# KiCad board artix-dc-scm.kicad_pcb (continued)
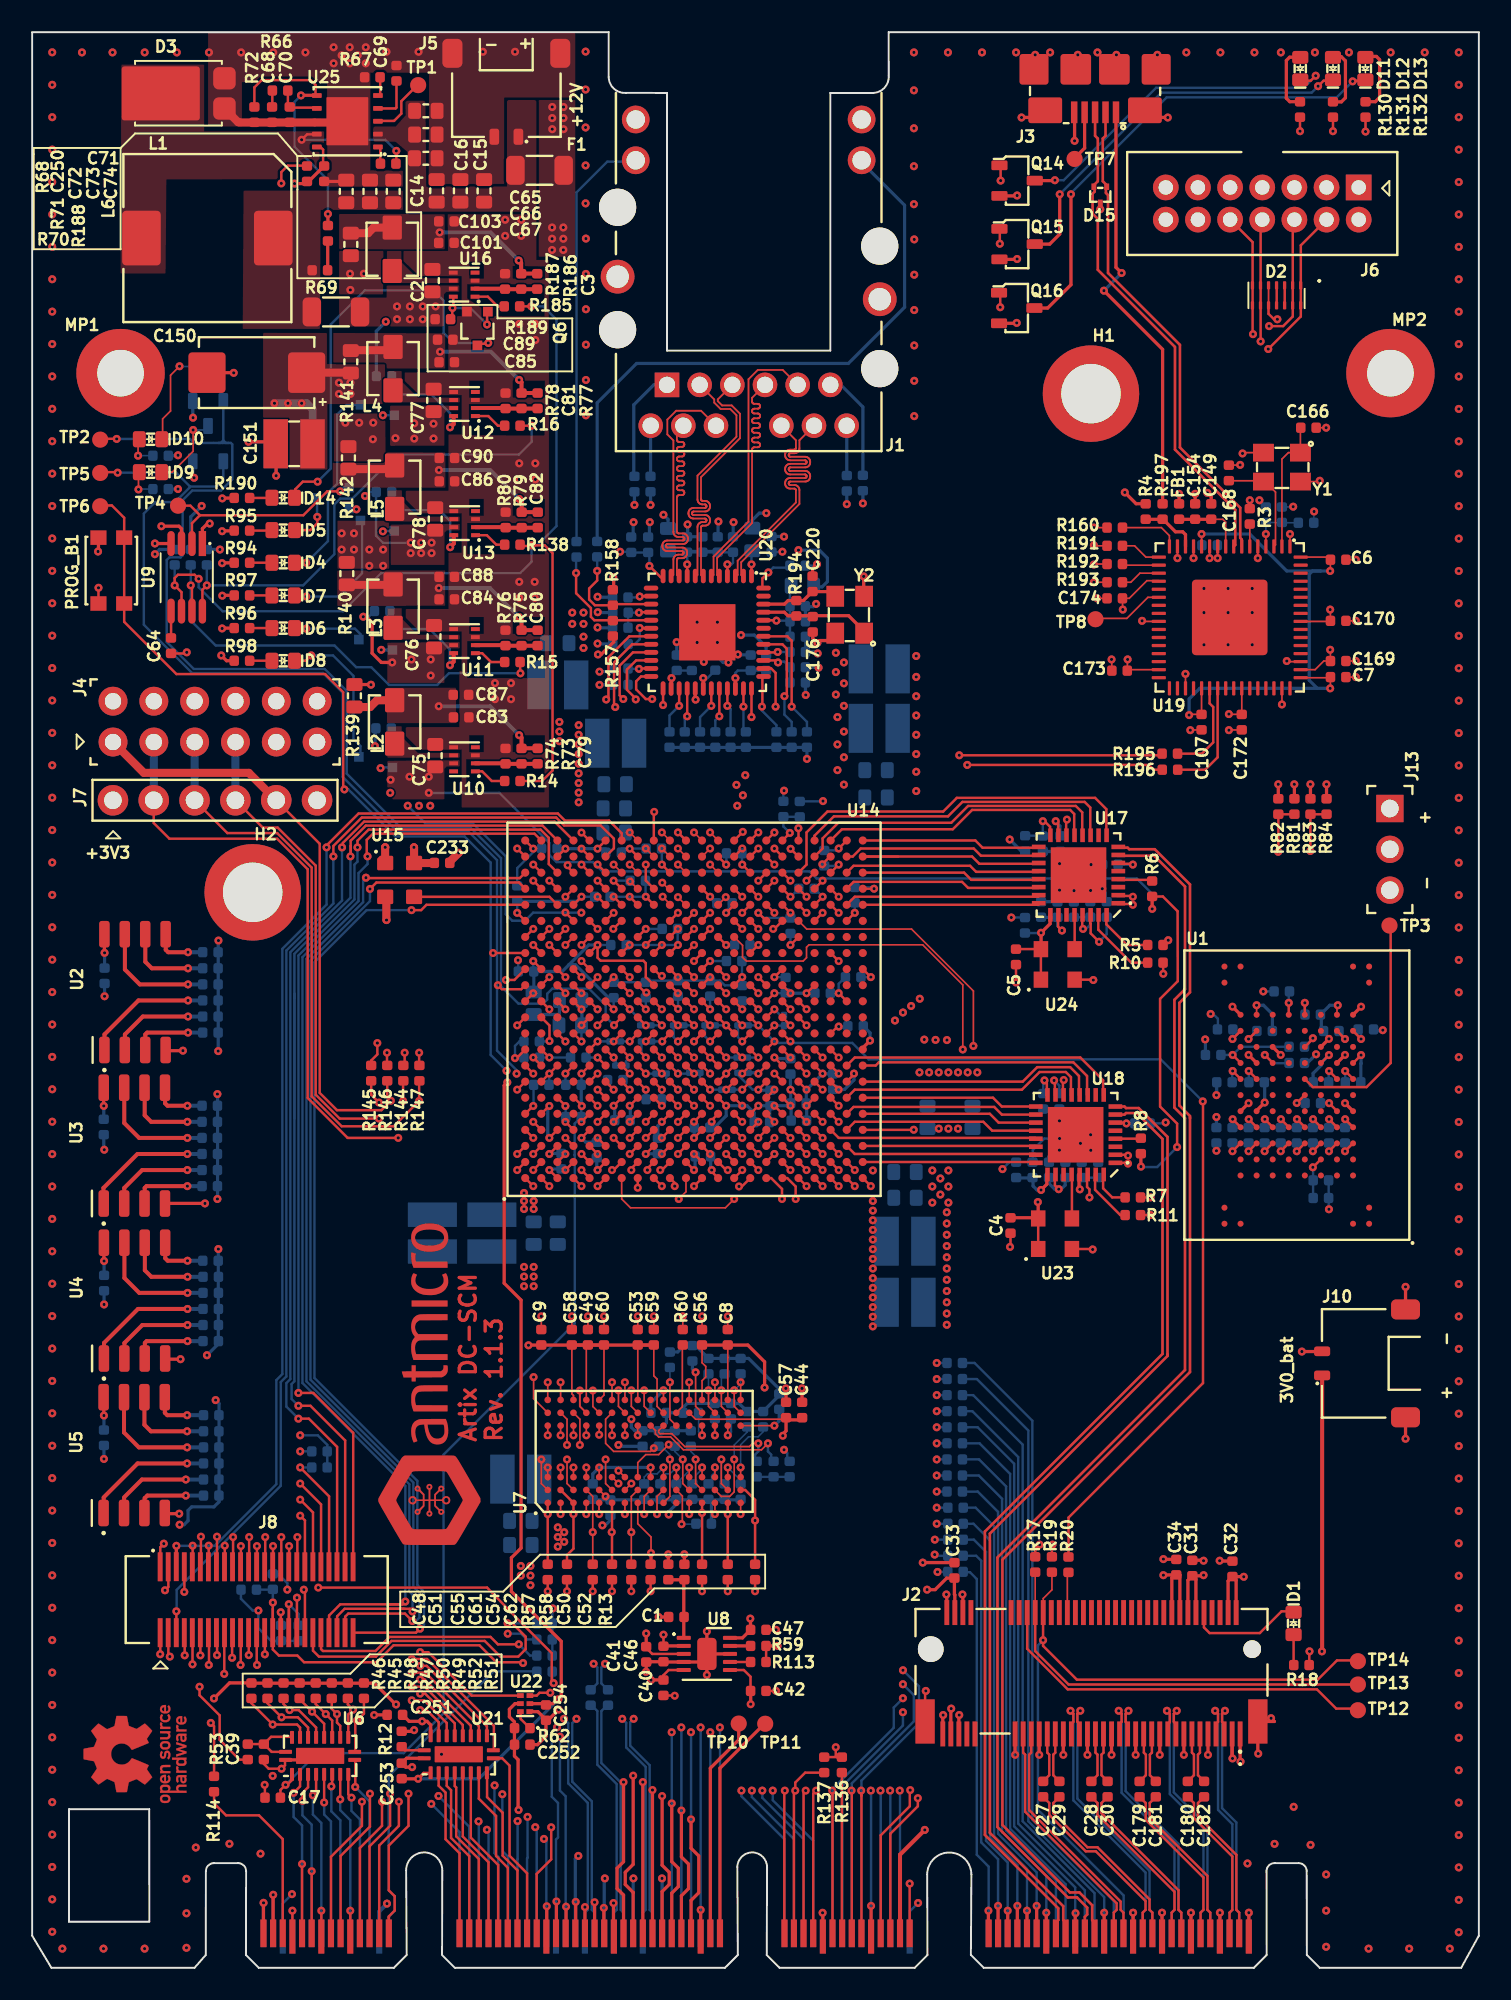
[diagram p0: board, top side]
## Library data of the parts (continued)
R3 R159 = -: Datasheet: https://www.bourns.com/docs/product-datasheets/cr.pdf; Description: SMD Chip Resistor, 12.1 kohm, ± 1%, 62.5 mW, 0402 [1005 Metric], Thick Film, General Purpose; Author: Antmicro; License: Apache-2.0; MPN: CR0402-FX-1212GLF; Manufacturer: Bourns; Tolerance: 1%; Val: 12k1
R4 R17 R19 R20 R29-R44 R57-R59 R61 R91-R93 R113 R189 = -: Datasheet: https://www.bourns.com/docs/product-datasheets/cr.pdf; Description: SMD Chip Resistor, 10 kohm, ± 1%, 62.5 mW, 0402 [1005 Metric], Thick Film, General Purpose; Author: Antmicro; License: Apache-2.0; MPN: CR0402-FX-1002GLF; Manufacturer: Bourns; Tolerance: 1%; Val: 10k
R5 R7 = -: Datasheet: https://www.bourns.com/docs/product-datasheets/cr.pdf; Description: SMD Chip Resistor, 12 kohm, ± 1%, 62.5 mW, 0402 [1005 Metric], Thick Film, General Purpose; Author: Antmicro; License: Apache-2.0; MPN: CR0402-FX-1202GLF; Manufacturer: Bourns; Tolerance: 1%; Val: 12k
R9 R160 R191-R193 R195 R196 = -: Datasheet: https://www.bourns.com/docs/product-datasheets/cr.pdf; Description: SMD Chip Resistor, 22 ohm, ± 1%, 62.5 mW, 0402 [1005 Metric], Thick Film, General Purpose; Author: Antmicro; License: Apache-2.0; MPN: CR0402-FX-22R0GLF; Manufacturer: Bourns; Tolerance: 1%; Val: 22R
R10 R11 R14-R16 R81-R84 R101-R112 R114-R116 R136-R138 R144-R147 R154 R161 R185 = -: Datasheet: https://industrial.panasonic.com/cdbs/www-data/pdf/RDA0000/AOA0000C301.pdf; Description: SMD Chip Resistor, Jumper, 0 ohm, 100 mW, 0402 [1005 Metric], Thick Film, General Purpose; Author: Antmicro; Current: 1A; License: Apache-2.0; MPN: ERJ2GE0R00X; Manufacturer: Panasonic; Val: 0R
R12 R53 R62 R75 = -: Datasheet: https://www.bourns.com/docs/product-datasheets/cr.pdf; Description: SMD Chip Resistor, 200 kohm, ± 1%, 62.5 mW, 0402 [1005 Metric], Thick Film, General Purpose; Author: Antmicro; License: Apache-2.0; MPN: CR0402-FX-2003GLF; Manufacturer: Bourns; Tolerance: 1%; Val: 200k
R13 R21-R24 R85 R89 R90 R134 R135 R155 R197 = -: Datasheet: https://www.bourns.com/docs/product-datasheets/cr.pdf; Description: SMD Chip Resistor, 4.7 kohm, ± 1%, 62.5 mW, 0402 [1005 Metric], Thick Film, General Purpose; Author: Antmicro; License: Apache-2.0; MPN: CR0402-FX-4701GLF; Manufacturer: Bourns; Tolerance: 1%; Val: 4k7
R18 = -: Datasheet: https://www.bourns.com/docs/product-datasheets/cr.pdf; Description: SMD Chip Resistor, 330 ohm, ± 1%, 62.5 mW, 0402 [1005 Metric], Thick Film, General Purpose; Author: Antmicro; License: Apache-2.0; MPN: CR0402-FX-3300GLF; Manufacturer: Bourns; Tolerance: 1%; Val: 330R
R45-R52 = -: Datasheet: https://www.bourns.com/docs/product-datasheets/cr.pdf; Description: SMD Chip Resistor; Author: Antmicro; License: Apache-2.0; MPN: CR0402-FX-3573GLF; Manufacturer: Bourns; Tolerance: 1%; Val: 357k
R54-R56 R99 R100 R162-R164 R167-R184 = -: Datasheet: https://www.bourns.com/docs/product-datasheets/cr.pdf; Description: SMD Chip Resistor, 51 ohm, ± 1%, 63 mW, 0402 [1005 Metric], Thick Film, General Purpose; Author: Antmicro; License: Apache-2.0; MPN: CR0402-FX-51R0GLF; Manufacturer: Bourns; Tolerance: 1%; Val: 51R
R60 = -: Datasheet: https://www.bourns.com/docs/product-datasheets/cr.pdf; Description: SMD Chip Resistor, 240 ohm, ± 1%, 63 mW, 0402 [1005 Metric], Thick Film, General Purpose; Author: Antmicro; License: Apache-2.0; MPN: CR0402-FX-2400GLF; Manufacturer: Bourns; Tolerance: 1%; Val: 240R
R63-R65 R68 R74 R76 R78 R80 R186 R187 = -: Datasheet: https://www.bourns.com/docs/product-datasheets/cr.pdf; Description: SMD Chip Resistor, 100 kohm, ± 1%, 62.5 mW, 0402 [1005 Metric], Thick Film, General Purpose; Author: Antmicro; License: Apache-2.0; MPN: CR0402-FX-1003GLF; Manufacturer: Bourns; Tolerance: 1%; Val: 100k
R66 = -: Datasheet: https://www.bourns.com/docs/product-datasheets/cr.pdf; Description: SMD Chip Resistor, Ceramic, 16.9 kohm, ± 1%, 62.5 mW, 0402 [1005 Metric], Thick Film; Author: Antmicro; License: Apache-2.0; MPN: CR0402-FX-1692GLF; Manufacturer: Bourns; Tolerance: 1%; Val: 16k9
R67 = -: Datasheet: https://www.bourns.com/docs/product-datasheets/cr.pdf; Description: SMD Chip Resistor; Author: Antmicro; License: Apache-2.0; MPN: CR0402-FX-2433GLF; Manufacturer: Bourns; Tolerance: 1%; Val: 243k
R69 = -: Datasheet: https://www.farnell.com/datasheets/2860635.pdf; Description: Zero Ohm Resistor, Jumper, 1206 [3216 Metric], Thick Film, 250 mW, 2 A, Surface Mount Device; Author: Antmicro; Current: 2A; License: Apache-2.0; MPN: MCMR12X000_PTL; Manufacturer: Multicomp Pro; Val: 0R
R70 = -: Datasheet: https://www.bourns.com/docs/product-datasheets/cr.pdf; Description: SMD Chip Resistor, 49.9 ohm, ± 1%, 62.5 mW, 0402 [1005 Metric], Thick Film, General Purpose; Author: Antmicro; License: Apache-2.0; MPN: CR0402-FX-49R9GLF; Manufacturer: Bourns; Tolerance: 1%; Val: 49R9
R71 = -: Datasheet: https://www.bourns.com/docs/product-datasheets/cr.pdf; Description: SMD Chip Resistor; Author: Antmicro; License: Apache-2.0; MPN: CR0402-FX-5362GLF; Manufacturer: Bourns; Tolerance: 1%; Val: 53k6
R72 R127 R148-R153 R156-R158 = -: Datasheet: https://www.bourns.com/docs/product-datasheets/cr.pdf; Description: SMD Chip Resistor; Author: Antmicro; License: Apache-2.0; MPN: CR0402-FX-1022GLF; Manufacturer: Bourns; Tolerance: 1%; Val: 10k2
R73 = -: Datasheet: https://www.bourns.com/docs/product-datasheets/cr.pdf; Description: SMD Chip Resistor; Author: Antmicro; License: Apache-2.0; MPN: CR0402-FX-4533GLF; Manufacturer: Bourns; Tolerance: 1%; Val: 453k
R77 = -: Datasheet: https://www.bourns.com/docs/product-datasheets/cr.pdf; Description: SMD Chip Resistor; Author: Antmicro; License: Apache-2.0; MPN: CR0402-FX-6652GLF; Manufacturer: Bourns; Tolerance: 1%; Val: 66k5
R79 = -: Datasheet: https://www.bourns.com/docs/product-datasheets/cr.pdf; Description: SMD Chip Resistor, 124 kohm, ± 1%, 100 mW, 0402 [1005 Metric], Thick Film, Precision; Author: Antmicro; License: Apache-2.0; MPN: CR0402-FX-1243GLF; Manufacturer: Bourns; Tolerance: 1%; Val: 124k
R86 R87 R143 = -: Datasheet: https://www.bourns.com/docs/product-datasheets/cr.pdf; Description: SMD Chip Resistor, 100 ohm, ± 1%, 62.5 mW, 0402 [1005 Metric], Thick Film, General Purpose; Author: Antmicro; License: Apache-2.0; MPN: CR0402-FX-1000GLF; Manufacturer: Bourns; Tolerance: 1%; Val: 100R
R88 = -: Datasheet: https://www.bourns.com/docs/product-datasheets/cr.pdf; Description: SMD Chip Resistor, 200 ohm, ± 1%, 62.5 mW, 0402 [1005 Metric], Thick Film, General Purpose; Author: Antmicro; License: Apache-2.0; MPN: CR0402-FX-2000GLF; Manufacturer: Bourns; Tolerance: 1%; Val: 200R
R117-R126 = -: Datasheet: https://www.bourns.com/docs/product-datasheets/cr.pdf; Description: SMD Chip Resistor, 47 kohm, ± 1%, 62.5 mW, 0402 [1005 Metric], Thick Film, General Purpose; Author: Antmicro; License: Apache-2.0; MPN: CR0402-FX-4702GLF; Manufacturer: Bourns; Tolerance: 1%; Val: 47k
R133 = -: Datasheet: https://www.bourns.com/docs/product-datasheets/cr.pdf; Description: SMD Chip Resistor, 2.2 kohm, ± 1%, 62.5 mW, 0402 [1005 Metric], Thick Film, General Purpose; Author: Antmicro; License: Apache-2.0; MPN: CR0402-FX-2201GLF; Manufacturer: Bourns; Tolerance: 1%; Val: 2k2
R139-R142 R188 = -: Datasheet: https://www.bourns.com/docs/product-datasheets/cr.pdf?sfvrsn=574d41f6_14; Description: Zero Ohm Resistor, Jumper, 0603 [1608 Metric], Thick Film, 100 mW, 1 A, Surface Mount Device, CR; Author: Antmicro; Current: 1A; License: Apache-2.0; MPN: CR0603-J/-000ELF; Manufacturer: Bourns; Val: 0R
R165 R166 = -: Datasheet: https://www.bourns.com/docs/product-datasheets/cr.pdf; Description: SMD Chip Resistor, 220 ohm, ± 1%, 62.5 mW, 0402 [1005 Metric], Thick Film, General Purpose; Author: Antmicro; License: Apache-2.0; MPN: CR0402-FX-2200GLF; Manufacturer: Bourns; Tolerance: 1%; Val: 220R
R194 = -: Datasheet: https://www.bourns.com/docs/product-datasheets/cr.pdf; Description: SMD Chip Resistor; Author: Antmicro; License: Apache-2.0; MPN: CR0402-FX-1804GLF; Manufacturer: Bourns; Tolerance: 1%; Val: 1M8
TP1-TP8 TP10-TP14 = -: Description: Test point 1mm SMD; Author: Antmicro; License: Apache-2.0
U1 = -: Datasheet: https://www.mouser.com/datasheet/2/671/micron_technology_mict-s-a0006806196-1-1759129.pdf; Description: Managed NAND Flash Serial e-MMC 3.3V 128G-bit 128G/32G/16G x 1/4-bit/8-bit Automotive AEC-Q100 100-Pin TBGA Tray; Author: Antmicro; License: Apache-2.0; Manufacturer: Micron Technology
U2-U5 = -: Datasheet: https://www.mouser.com/datasheet/2/949/w25q32jw_spi_revf_09042018-1489621.pdf; Description: FLASH - NOR Memory IC 32Mbit SPI - Quad I/O 133 MHz 8-SOIC; Author: Antmicro; License: Apache-2.0; MPN: W25Q32JWSSIQ; Manufacturer: Winbond
U6 = -: Datasheet: https://www.nxp.com/docs/en/data-sheet/NVT2008_NVT2010.pdf; Description: Bidirectional Voltage Level Translator, 8 Inputs, 1.5ns, 1.8V to 5.5V, DHVQFN-20; Author: Antmicro; License: Apache-2.0; Manufacturer: NXP
U7 = -: Datasheet: https://www.alliancememory.com/wp-content/uploads/AllianceMemory_4G_DDR3L_AS4C256M16D3LC_March2020_Rev1.0.pdf; Description: SDRAM - DDR3 Memory IC 4Gbit Parallel 800 MHz 20 ns 96-FBGA (9x13); Manufacturer: Alliance Memory; MPN: AS4C256M16D3LC-12BCN; Author: Antmicro; License: Apache-2.0
U8 = -: Datasheet: https://www.ti.com/lit/ds/symlink/tps51200.pdf?ts=1685420125657; Description: Fixed LDO Voltage Regulator, 2.375 V to 3.5 V, 0.8 V Dropout, 1.25 V / 3 A out, VSON-10; Author: Antmicro; License: Apache-2.0; Manufacturer: Texas Instruments; VSD_class: TPS51200; ki_fp_filters: *VSON?10?1EP?3x3mm?P0.5mm*
U9 = -: Datasheet: http://www.ti.com/lit/ds/symlink/lm3881.pdf; Description: Power Sequencer, 3-Monitors, 2.7V-5.5Vin,VSSOP-8; Author: Antmicro; License: Apache-2.0; MPN: LM3881MME/NOPB; Manufacturer: Texas Instruments
U10-U13 U16 = -: Datasheet: https://www.ti.com/lit/ds/symlink/tps62823.pdf?ts=1685970309606&ref_url=https%253A%252F%252Fwww.ti.com%252Fproduct%252FTPS62823%252Fpart-details%252FTPS62823DLCT; Description: DC/DC converter; Author: Antmicro; License: Apache-2.0; Manufacturer: Texas Instruments
U14 = -: Datasheet: https://docs.xilinx.com/v/u/en-US/ds181_Artix_7_Data_Sheet; Description: Artix-7 Field Programmable Gate Array IC 210 324-LFBGA, CSPBGA; Author: Antmicro; License: Apache-2.0; Manufacturer: AMD-Xilinx
U15 = -: Datasheet: https://abracon.com/datasheets/AMJM.pdf; Description: MEMS Oscillator, 100 MHz, SMT, 3.2mm x 2.5mm, 25 ppm, 2.5 V, AMJM; Author: Antmicro; License: Apache-2.0; MPN: AMJMEFB-100.0000T; Manufacturer: Abracon; Val: 100 MHz
U17 U18 = -: Datasheet: https://ww1.microchip.com/downloads/en/DeviceDoc/00001783C.pdf; Description: USB Interface, USB Host Controller, USB 2.0 OTG, 3 V, 3.6 V, VQFN, 32 Pins; Author: Antmicro; License: Apache-2.0; Manufacturer: Microchip Technology
U19 = -: Datasheet: https://www.ftdichip.com/Support/Documents/DataSheets/ICs/DS_FT4232H.pdf; Description: Interface Bridges, USB to UART, MPSSE, 1.62 V, 1.98 V, QFN, 64 Pins, -40 °C; Author: Antmicro; License: Apache-2.0; MPN: FT4232HQ-TRAY; Manufacturer: FTDI Chip
U20 = -: Datasheet: http://ww1.microchip.com/downloads/en/DeviceDoc/00002117F.pdf; Description: Ethernet Controller, 1000 Mbps, IEEE 802.3, 1.14 V, 3.465 V, QFN, 48 Pins; Author: Antmicro; License: Apache-2.0; Manufacturer: Microchip Technology
U21 = -: Datasheet: https://www.ti.com/lit/ds/symlink/lsf0108.pdf?ts=1686550470995&ref_url=https%253A%252F%252Fwww.ti.com%252Fproduct%252FLSF0108%252Fpart-details%252FLSF0108RKSR; Description: Voltage Level Translator, 8 Input, 1.5 ns, 0 V to 5 V, VQFN-20; Author: Antmicro; License: Apache-2.0; Manufacturer: Texas Instruments
U22 = -: Datasheet: https://www.ti.com/lit/ds/symlink/lsf0101.pdf?ts=1686656250822&ref_url=https%253A%252F%252Fwww.ti.com%252Fproduct%252FLSF0101%252Fpart-details%252FLSF0101DRYR; Description: Voltage Level Translator, 1 Input, 1.5 ns, 0 V to 5 V, SON-6; Author: Antmicro; License: Apache-2.0; Manufacturer: Texas Instruments
U23 U24 = -: Datasheet: https://abracon.com/Oscillators/ASEMB.pdf; Description: MEMS Oscillator, Clock, Pure Silicon&trade;, 24 MHz, SMD, 3.2mm x 2.5mm, 50 ppm, 3.3 V, ASEMB, LVCMOS; Author: Antmicro; License: Apache-2.0; MPN: ASEMB-24.000MHZ-LC-T; Manufacturer: Abracon; Val: 24 MHz
U25 = -: Datasheet: https://www.ti.com/lit/ds/symlink/tps54561-q1.pdf?ts=1678720110394&ref_url=https%253A%252F%252Fwww.google.com%252F; Description: DC/DC converter; Author: Antmicro; License: Apache-2.0; Manufacturer: Texas Instruments
Y1 = -: Datasheet: https://abracon.com/Resonators/ABM8G.pdf; Description: Crystal, 12 MHz, SMT, 3.2mm x 2.5mm, 30 ppm, 18 pF, 20 ppm, ABM8G; Author: Antmicro; License: Apache-2.0; MPN: ABM8G-12.000MHZ-18-D2Y-T; Manufacturer: Abracon; Val: 12 MHz
Y2 = -: Datasheet: https://abracon.com/Resonators/ABM8G.pdf; Description: Crystal, 25 MHz, SMD, 3.2mm x 2.5mm, 30 ppm, 18 pF, 20 ppm, ABM8G; Author: Antmicro; License: Apache-2.0; MPN: ABM8G-25.000MHZ-18-D2Y-T3; Manufacturer: Abracon; Val: 25 MHz

## Footprints (pads in the part's own frame, mm; a bottom-side part is the same pattern mirrored in y, then rotated)
BGA-96-48_7.5x13.5mm_Layout9x16_P0.8mm
  round 0.41 smd: A1(-3.2,6) A2(-2.4,6) A3(-1.6,6) A7(1.6,6) A8(2.4,6) A9(3.2,6) B1(-3.2,5.2) B2(-2.4,5.2) B3(-1.6,5.2) B7(1.6,5.2) B8(2.4,5.2) B9(3.2,5.2) C1(-3.2,4.4) C2(-2.4,4.4) C3(-1.6,4.4) C7(1.6,4.4) C8(2.4,4.4) C9(3.2,4.4) D1(-3.2,3.6) D2(-2.4,3.6) D3(-1.6,3.6) D7(1.6,3.6) D8(2.4,3.6) D9(3.2,3.6) E1(-3.2,2.8) E2(-2.4,2.8) E3(-1.6,2.8) E7(1.6,2.8) E8(2.4,2.8) E9(3.2,2.8) F1(-3.2,2) F2(-2.4,2) F3(-1.6,2) F7(1.6,2) F8(2.4,2) F9(3.2,2) G1(-3.2,1.2) G2(-2.4,1.2) G3(-1.6,1.2) G7(1.6,1.2) G8(2.4,1.2) G9(3.2,1.2) H1(-3.2,0.4) H2(-2.4,0.4) H3(-1.6,0.4) H7(1.6,0.4) H8(2.4,0.4) H9(3.2,0.4) J1(-3.2,-0.4) J2(-2.4,-0.4) J3(-1.6,-0.4) J7(1.6,-0.4) J8(2.4,-0.4) J9(3.2,-0.4) K1(-3.2,-1.2) K2(-2.4,-1.2) K3(-1.6,-1.2) K7(1.6,-1.2) K8(2.4,-1.2) K9(3.2,-1.2) L1(-3.2,-2) L2(-2.4,-2) L3(-1.6,-2) L7(1.6,-2) L8(2.4,-2) L9(3.2,-2) M1(-3.2,-2.8) M2(-2.4,-2.8) M3(-1.6,-2.8) M7(1.6,-2.8) M8(2.4,-2.8) M9(3.2,-2.8) N1(-3.2,-3.6) N2(-2.4,-3.6) N3(-1.6,-3.6) N7(1.6,-3.6) N8(2.4,-3.6) N9(3.2,-3.6) P1(-3.2,-4.4) P2(-2.4,-4.4) P3(-1.6,-4.4) P7(1.6,-4.4) P8(2.4,-4.4) P9(3.2,-4.4) R1(-3.2,-5.2) R2(-2.4,-5.2) R3(-1.6,-5.2) R7(1.6,-5.2) R8(2.4,-5.2) R9(3.2,-5.2) T1(-3.2,-6) T2(-2.4,-6) T3(-1.6,-6) T7(1.6,-6) T8(2.4,-6) T9(3.2,-6)
BGA-170-100_18x14mm_Layout17x10_P1mm
  round 0.37 smd: A1(-4.5,8) A2(-3.5,8) A9(3.499,8) A10(4.499,8) B1(-4.5,7) B10(4.499,7) D2(-3.5,5) D3(-2.5,5) D4(-1.5,5) D5(-0.5,5) D6(0.499,5) D7(1.499,5) D8(2.499,5) D9(3.499,5) E2(-3.5,4) E3(-2.5,4) E4(-1.5,4) E5(-0.5,4) E6(0.499,4) E7(1.499,4) E8(2.499,4) E9(3.499,4) F2(-3.5,3) F3(-2.5,3) F4(-1.5,3) F5(-0.5,3) F6(0.499,3) F7(1.499,3) F8(2.499,3) F9(3.499,3) G2(-3.5,2) G3(-2.5,2) G4(-1.5,2) G5(-0.5,2) G6(0.499,2) G7(1.499,2) G8(2.499,2) G9(3.499,2) H2(-3.5,1) H3(-2.5,1) H4(-1.5,1) H5(-0.5,1) H6(0.499,1) H7(1.499,1) H8(2.499,1) H9(3.499,1) J2(-3.5,0) J3(-2.5,0) J4(-1.5,0) J5(-0.5,0) J6(0.499,0) J7(1.499,0) J8(2.499,0) J9(3.499,0) K2(-3.5,-0.999) K3(-2.5,-0.999) K4(-1.5,-0.999) K5(-0.5,-0.999) K6(0.499,-0.999) K7(1.499,-0.999) K8(2.499,-0.999) K9(3.499,-0.999) L2(-3.5,-1.999) L3(-2.5,-1.999) L4(-1.5,-1.999) L5(-0.5,-1.999) L6(0.499,-1.999) L7(1.499,-1.999) L8(2.499,-1.999) L9(3.499,-1.999) M2(-3.5,-2.999) M3(-2.5,-2.999) M4(-1.5,-2.999) M5(-0.5,-2.999) M6(0.499,-2.999) M7(1.499,-2.999) M8(2.499,-2.999) M9(3.499,-2.999) N2(-3.5,-3.999) N3(-2.5,-3.999) N4(-1.5,-3.999) N5(-0.5,-3.999) N6(0.499,-3.999) N7(1.499,-3.999) N8(2.499,-3.999) N9(3.499,-3.999) P2(-3.5,-4.999) P3(-2.5,-4.999) P4(-1.5,-4.999) P5(-0.5,-4.999) P6(0.499,-4.999) P7(1.499,-4.999) P8(2.499,-4.999) P9(3.499,-4.999) T1(-4.5,-6.998) T10(4.499,-6.998) U1(-4.5,-7.998) U2(-3.5,-7.998) U9(3.499,-7.998) U10(4.499,-7.998)
BGA-484_23x23mm_Layout22x22_P1mm_FGG484
  round 0.5 smd: A1(-10.5,10.5) A2(-9.5,10.5) A3(-8.5,10.5) A4(-7.5,10.5) A5(-6.5,10.5) A6(-5.5,10.5) A7(-4.5,10.5) A8(-3.5,10.5) A9(-2.5,10.5) A10(-1.5,10.5) A11(-0.5,10.5) A12(0.498,10.5) A13(1.499,10.5) A14(2.499,10.5) A15(3.499,10.5) A16(4.498,10.5) A17(5.499,10.5) A18(6.499,10.5) A19(7.499,10.5) A20(8.499,10.5) A21(9.499,10.5) A22(10.499,10.5) AA1(-10.5,-9.499) AA2(-9.5,-9.499) AA3(-8.5,-9.499) AA4(-7.5,-9.499) AA5(-6.5,-9.499) AA6(-5.5,-9.499) AA7(-4.5,-9.499) AA8(-3.5,-9.499) AA9(-2.5,-9.499) AA10(-1.5,-9.499) AA11(-0.5,-9.499) AA12(0.498,-9.499) AA13(1.499,-9.499) AA14(2.499,-9.499) AA15(3.499,-9.499) AA16(4.498,-9.499) AA17(5.499,-9.499) AA18(6.499,-9.499) AA19(7.499,-9.499) AA20(8.499,-9.499) AA21(9.499,-9.499) AA22(10.499,-9.499) AB1(-10.5,-10.499) AB2(-9.5,-10.499) AB3(-8.5,-10.499) AB4(-7.5,-10.499) AB5(-6.5,-10.499) AB6(-5.5,-10.499) AB7(-4.5,-10.499) AB8(-3.5,-10.499) AB9(-2.5,-10.499) AB10(-1.5,-10.499) AB11(-0.5,-10.499) AB12(0.498,-10.499) AB13(1.499,-10.499) AB14(2.499,-10.499) AB15(3.499,-10.499) AB16(4.498,-10.499) AB17(5.499,-10.499) AB18(6.499,-10.499) AB19(7.499,-10.499) AB20(8.499,-10.499) AB21(9.499,-10.499) AB22(10.499,-10.499) B1(-10.5,9.5) B2(-9.5,9.5) B3(-8.5,9.5) B4(-7.5,9.5) B5(-6.5,9.5) B6(-5.5,9.5) B7(-4.5,9.5) B8(-3.5,9.5) B9(-2.5,9.5) B10(-1.5,9.5) B11(-0.5,9.5) B12(0.498,9.5) B13(1.499,9.5) B14(2.499,9.5) B15(3.499,9.5) B16(4.498,9.5) B17(5.499,9.5) B18(6.499,9.5) B19(7.499,9.5) B20(8.499,9.5) B21(9.499,9.5) B22(10.499,9.5) C1(-10.5,8.5) C2(-9.5,8.5) C3(-8.5,8.5) C4(-7.5,8.5) C5(-6.5,8.5) C6(-5.5,8.5) C7(-4.5,8.5) C8(-3.5,8.5) C9(-2.5,8.5) C10(-1.5,8.5) C11(-0.5,8.5) C12(0.498,8.5) C13(1.499,8.5) C14(2.499,8.5) C15(3.499,8.5) C16(4.498,8.5) C17(5.499,8.5) C18(6.499,8.5) C19(7.499,8.5) C20(8.499,8.5) C21(9.499,8.5) C22(10.499,8.5) D1(-10.5,7.5) D2(-9.5,7.5) D3(-8.5,7.5) D4(-7.5,7.5) D5(-6.5,7.5) D6(-5.5,7.5) D7(-4.5,7.5) D8(-3.5,7.5) D9(-2.5,7.5) D10(-1.5,7.5) D11(-0.5,7.5) D12(0.498,7.5) D13(1.499,7.5) D14(2.499,7.5) D15(3.499,7.5) D16(4.498,7.5) D17(5.499,7.5) D18(6.499,7.5) D19(7.499,7.5) D20(8.499,7.5) D21(9.499,7.5) D22(10.499,7.5) E1(-10.5,6.5) E2(-9.5,6.5) E3(-8.5,6.5) E4(-7.5,6.5) E5(-6.5,6.5) E6(-5.5,6.5) E7(-4.5,6.5) E8(-3.5,6.5) E9(-2.5,6.5) E10(-1.5,6.5) E11(-0.5,6.5) E12(0.498,6.5) E13(1.499,6.5) E14(2.499,6.5) E15(3.499,6.5) E16(4.498,6.5) E17(5.499,6.5) E18(6.499,6.5) E19(7.499,6.5) E20(8.499,6.5) E21(9.499,6.5) E22(10.499,6.5) F1(-10.5,5.5) F2(-9.5,5.5) F3(-8.5,5.5) F4(-7.5,5.5) F5(-6.5,5.5) F6(-5.5,5.5) F7(-4.5,5.5) F8(-3.5,5.5) F9(-2.5,5.5) F10(-1.5,5.5) F11(-0.5,5.5) F12(0.498,5.5) F13(1.499,5.5) F14(2.499,5.5) F15(3.499,5.5) F16(4.498,5.5) F17(5.499,5.5) F18(6.499,5.5) F19(7.499,5.5) F20(8.499,5.5) F21(9.499,5.5) F22(10.499,5.5) G1(-10.5,4.5) G2(-9.5,4.5) G3(-8.5,4.5) G4(-7.5,4.5) G5(-6.5,4.5) G6(-5.5,4.5) G7(-4.5,4.5) G8(-3.5,4.5) G9(-2.5,4.5) G10(-1.5,4.5) G11(-0.5,4.5) G12(0.498,4.5) G13(1.499,4.5) G14(2.499,4.5) G15(3.499,4.5) G16(4.498,4.5) G17(5.499,4.5) G18(6.499,4.5) G19(7.499,4.5) G20(8.499,4.5) G21(9.499,4.5) G22(10.499,4.5) H1(-10.5,3.5) H2(-9.5,3.5) H3(-8.5,3.5) H4(-7.5,3.5) H5(-6.5,3.5) H6(-5.5,3.5) H7(-4.5,3.5) H8(-3.5,3.5) H9(-2.5,3.5) H10(-1.5,3.5) H11(-0.5,3.5) H12(0.498,3.5) H13(1.499,3.5) H14(2.499,3.5) H15(3.499,3.5) H16(4.498,3.5) H17(5.499,3.5) H18(6.499,3.5) H19(7.499,3.5) H20(8.499,3.5) H21(9.499,3.5) H22(10.499,3.5) J1(-10.5,2.5) J2(-9.5,2.5) J3(-8.5,2.5) J4(-7.5,2.5) J5(-6.5,2.5) J6(-5.5,2.5) J7(-4.5,2.5) J8(-3.5,2.5) J9(-2.5,2.5) J10(-1.5,2.5) J11(-0.5,2.5) J12(0.498,2.5) J13(1.499,2.5) J14(2.499,2.5) J15(3.499,2.5) J16(4.498,2.5) J17(5.499,2.5) J18(6.499,2.5) J19(7.499,2.5) J20(8.499,2.5) J21(9.499,2.5) J22(10.499,2.5) K1(-10.5,1.5) K2(-9.5,1.5) K3(-8.5,1.5) K4(-7.5,1.5) K5(-6.5,1.5) K6(-5.5,1.5) K7(-4.5,1.5) K8(-3.5,1.5) K9(-2.5,1.5) K10(-1.5,1.5) K11(-0.5,1.5) K12(0.498,1.5) K13(1.499,1.5) K14(2.499,1.5) K15(3.499,1.5) K16(4.498,1.5) K17(5.499,1.5) K18(6.499,1.5) K19(7.499,1.5) K20(8.499,1.5) K21(9.499,1.5) K22(10.499,1.5) L1(-10.5,0.5) L2(-9.5,0.5) L3(-8.5,0.5) L4(-7.5,0.5) L5(-6.5,0.5) L6(-5.5,0.5) L7(-4.5,0.5) L8(-3.5,0.5) L9(-2.5,0.5) L10(-1.5,0.5) L11(-0.5,0.5) L12(0.498,0.5) L13(1.499,0.5) L14(2.499,0.5) L15(3.499,0.5) L16(4.498,0.5) L17(5.499,0.5) L18(6.499,0.5) L19(7.499,0.5) L20(8.499,0.5) L21(9.499,0.5) L22(10.499,0.5) M1(-10.5,-0.498) M2(-9.5,-0.498) M3(-8.5,-0.498) M4(-7.5,-0.498) M5(-6.5,-0.498) M6(-5.5,-0.498) M7(-4.5,-0.498) M8(-3.5,-0.498) M9(-2.5,-0.498) M10(-1.5,-0.498) M11(-0.5,-0.498) M12(0.498,-0.498) M13(1.499,-0.498) M14(2.499,-0.498) M15(3.499,-0.498) M16(4.498,-0.498) M17(5.499,-0.498) M18(6.499,-0.498) M19(7.499,-0.498) M20(8.499,-0.498) M21(9.499,-0.498) M22(10.499,-0.498) N1(-10.5,-1.499) N2(-9.5,-1.499) N3(-8.5,-1.499) N4(-7.5,-1.499) N5(-6.5,-1.499) N6(-5.5,-1.499) N7(-4.5,-1.499) N8(-3.5,-1.499) N9(-2.5,-1.499) N10(-1.5,-1.499) N11(-0.5,-1.499) N12(0.498,-1.499) N13(1.499,-1.499) N14(2.499,-1.499) N15(3.499,-1.499) N16(4.498,-1.499) N17(5.499,-1.499) N18(6.499,-1.499) N19(7.499,-1.499) N20(8.499,-1.499) N21(9.499,-1.499) N22(10.499,-1.499) P1(-10.5,-2.499) P2(-9.5,-2.499) P3(-8.5,-2.499) P4(-7.5,-2.499) P5(-6.5,-2.499) P6(-5.5,-2.499) P7(-4.5,-2.499) P8(-3.5,-2.499) P9(-2.5,-2.499) P10(-1.5,-2.499) P11(-0.5,-2.499) P12(0.498,-2.499) P13(1.499,-2.499) P14(2.499,-2.499) P15(3.499,-2.499) P16(4.498,-2.499) P17(5.499,-2.499) P18(6.499,-2.499) P19(7.499,-2.499) P20(8.499,-2.499) P21(9.499,-2.499) P22(10.499,-2.499) R1(-10.5,-3.499) R2(-9.5,-3.499) R3(-8.5,-3.499) R4(-7.5,-3.499) R5(-6.5,-3.499) R6(-5.5,-3.499) R7(-4.5,-3.499) R8(-3.5,-3.499) R9(-2.5,-3.499) R10(-1.5,-3.499) R11(-0.5,-3.499) R12(0.498,-3.499) R13(1.499,-3.499) R14(2.499,-3.499) R15(3.499,-3.499) R16(4.498,-3.499) R17(5.499,-3.499) R18(6.499,-3.499) R19(7.499,-3.499) R20(8.499,-3.499) R21(9.499,-3.499) R22(10.499,-3.499) T1(-10.5,-4.498) T2(-9.5,-4.498) T3(-8.5,-4.498) T4(-7.5,-4.498) T5(-6.5,-4.498) T6(-5.5,-4.498) T7(-4.5,-4.498) T8(-3.5,-4.498) T9(-2.5,-4.498) T10(-1.5,-4.498) T11(-0.5,-4.498) T12(0.498,-4.498) T13(1.499,-4.498) T14(2.499,-4.498) T15(3.499,-4.498) T16(4.498,-4.498) T17(5.499,-4.498) T18(6.499,-4.498) T19(7.499,-4.498) T20(8.499,-4.498) T21(9.499,-4.498) T22(10.499,-4.498) U1(-10.5,-5.499) U2(-9.5,-5.499) U3(-8.5,-5.499) U4(-7.5,-5.499) U5(-6.5,-5.499) U6(-5.5,-5.499) U7(-4.5,-5.499) U8(-3.5,-5.499) U9(-2.5,-5.499) U10(-1.5,-5.499) U11(-0.5,-5.499) U12(0.498,-5.499) U13(1.499,-5.499) U14(2.499,-5.499) U15(3.499,-5.499) U16(4.498,-5.499) U17(5.499,-5.499) U18(6.499,-5.499) U19(7.499,-5.499) U20(8.499,-5.499) U21(9.499,-5.499) U22(10.499,-5.499) V1(-10.5,-6.499) V2(-9.5,-6.499) V3(-8.5,-6.499) V4(-7.5,-6.499) V5(-6.5,-6.499) V6(-5.5,-6.499) V7(-4.5,-6.499) V8(-3.5,-6.499) V9(-2.5,-6.499) V10(-1.5,-6.499) V11(-0.5,-6.499) V12(0.498,-6.499) V13(1.499,-6.499) V14(2.499,-6.499) V15(3.499,-6.499) V16(4.498,-6.499) V17(5.499,-6.499) V18(6.499,-6.499) V19(7.499,-6.499) V20(8.499,-6.499) V21(9.499,-6.499) V22(10.499,-6.499) W1(-10.5,-7.499) W2(-9.5,-7.499) W3(-8.5,-7.499) W4(-7.5,-7.499) W5(-6.5,-7.499) W6(-5.5,-7.499) W7(-4.5,-7.499) W8(-3.5,-7.499) W9(-2.5,-7.499) W10(-1.5,-7.499) W11(-0.5,-7.499) W12(0.498,-7.499) W13(1.499,-7.499) W14(2.499,-7.499) W15(3.499,-7.499) W16(4.498,-7.499) W17(5.499,-7.499) W18(6.499,-7.499) W19(7.499,-7.499) W20(8.499,-7.499) W21(9.499,-7.499) W22(10.499,-7.499) Y1(-10.5,-8.499) Y2(-9.5,-8.499) Y3(-8.5,-8.499) Y4(-7.5,-8.499) Y5(-6.5,-8.499) Y6(-5.5,-8.499) Y7(-4.5,-8.499) Y8(-3.5,-8.499) Y9(-2.5,-8.499) Y10(-1.5,-8.499) Y11(-0.5,-8.499) Y12(0.498,-8.499) Y13(1.499,-8.499) Y14(2.499,-8.499) Y15(3.499,-8.499) Y16(4.498,-8.499) Y17(5.499,-8.499) Y18(6.499,-8.499) Y19(7.499,-8.499) Y20(8.499,-8.499) Y21(9.499,-8.499) Y22(10.499,-8.499)
Bus_M.2_Socket_Key_M_TE_1-2199230-6
  round 1.1 hole 1.1 unplated: (-10,-1.499)
  round 1.6 hole 1.6 unplated: (9.997,-1.499)
  rect 0.3x1.55 smd: 1(-9.25,3.775) 2(-9.003,-3.773) 3(-8.753,3.775) 4(-8.503,-3.773) 5(-8.253,3.775) 6(-8.001,-3.773) 7(-7.752,3.775) 8(-7.502,-3.773) 9(-7.252,3.775) 10(-7.002,-3.773) 11(-6.752,3.775) 12(-6.502,-3.773) 13(-6.252,3.775) 14(-6.002,-3.773) 15(-5.752,3.775) 16(-5.502,-3.773) 17(-5.252,3.775) 18(-5.002,-3.773) 19(-4.752,3.775) 20(-4.502,-3.773) 21(-4.252,3.775) 22(-4.002,-3.773) 23(-3.751,3.775) 24(-3.501,-3.773) 25(-3.251,3.775) 26(-3.001,-3.773) 27(-2.751,3.775) 28(-2.501,-3.773) 29(-2.251,3.775) 30(-2.001,-3.773) 31(-1.752,3.775) 32(-1.502,-3.773) 33(-1.252,3.775) 34(-1.002,-3.773) 35(-0.751,3.775) 36(-0.501,-3.773) 37(-0.251,3.775) 38(-0.001,-3.773) 39(0.248,3.775) 40(0.498,-3.773) 41(0.748,3.775) 42(0.998,-3.773) 43(1.249,3.775) 44(1.499,-3.773) 45(1.749,3.775) 46(1.999,-3.773) 47(2.249,3.775) 48(2.499,-3.773) 49(2.749,3.775) 50(2.999,-3.773) 51(3.249,3.775) 52(3.499,-3.773) 53(3.749,3.775) 54(3.999,-3.773) 55(4.248,3.775) 56(4.498,-3.773) 57(4.748,3.775) 58(4.998,-3.773) 67(7.248,3.775) 68(7.498,-3.773) 69(7.748,3.775) 70(7.998,-3.773) 71(8.247,3.775) 72(8.497,-3.773) 73(8.747,3.775) 74(8.997,-3.773) 75(9.247,3.775)
  rect 1.2x2.75 smd: MP1(-10.352,3) MP2(10.349,3)
C_0201
  rrect 0.318x0.36 smd: (-0.349,0.002) (0.341,0.002)
  rrect 0.46x0.4 smd: 1(-0.321,0.002) 2(0.32,0.002)
C_0402_1005Metric
  rrect 0.59x0.64 smd: 1(-0.48,0) 2(0.48,0)